# KiCad board g0dzilla_vs_sao1.kicad_pcb
title: G0dzilla_VS; date: 2024-06-20; rev: 1; company: Crafted by @alt_bier a.k.a. Richard Gowen and his Badge Team; note: SAO PCB 1
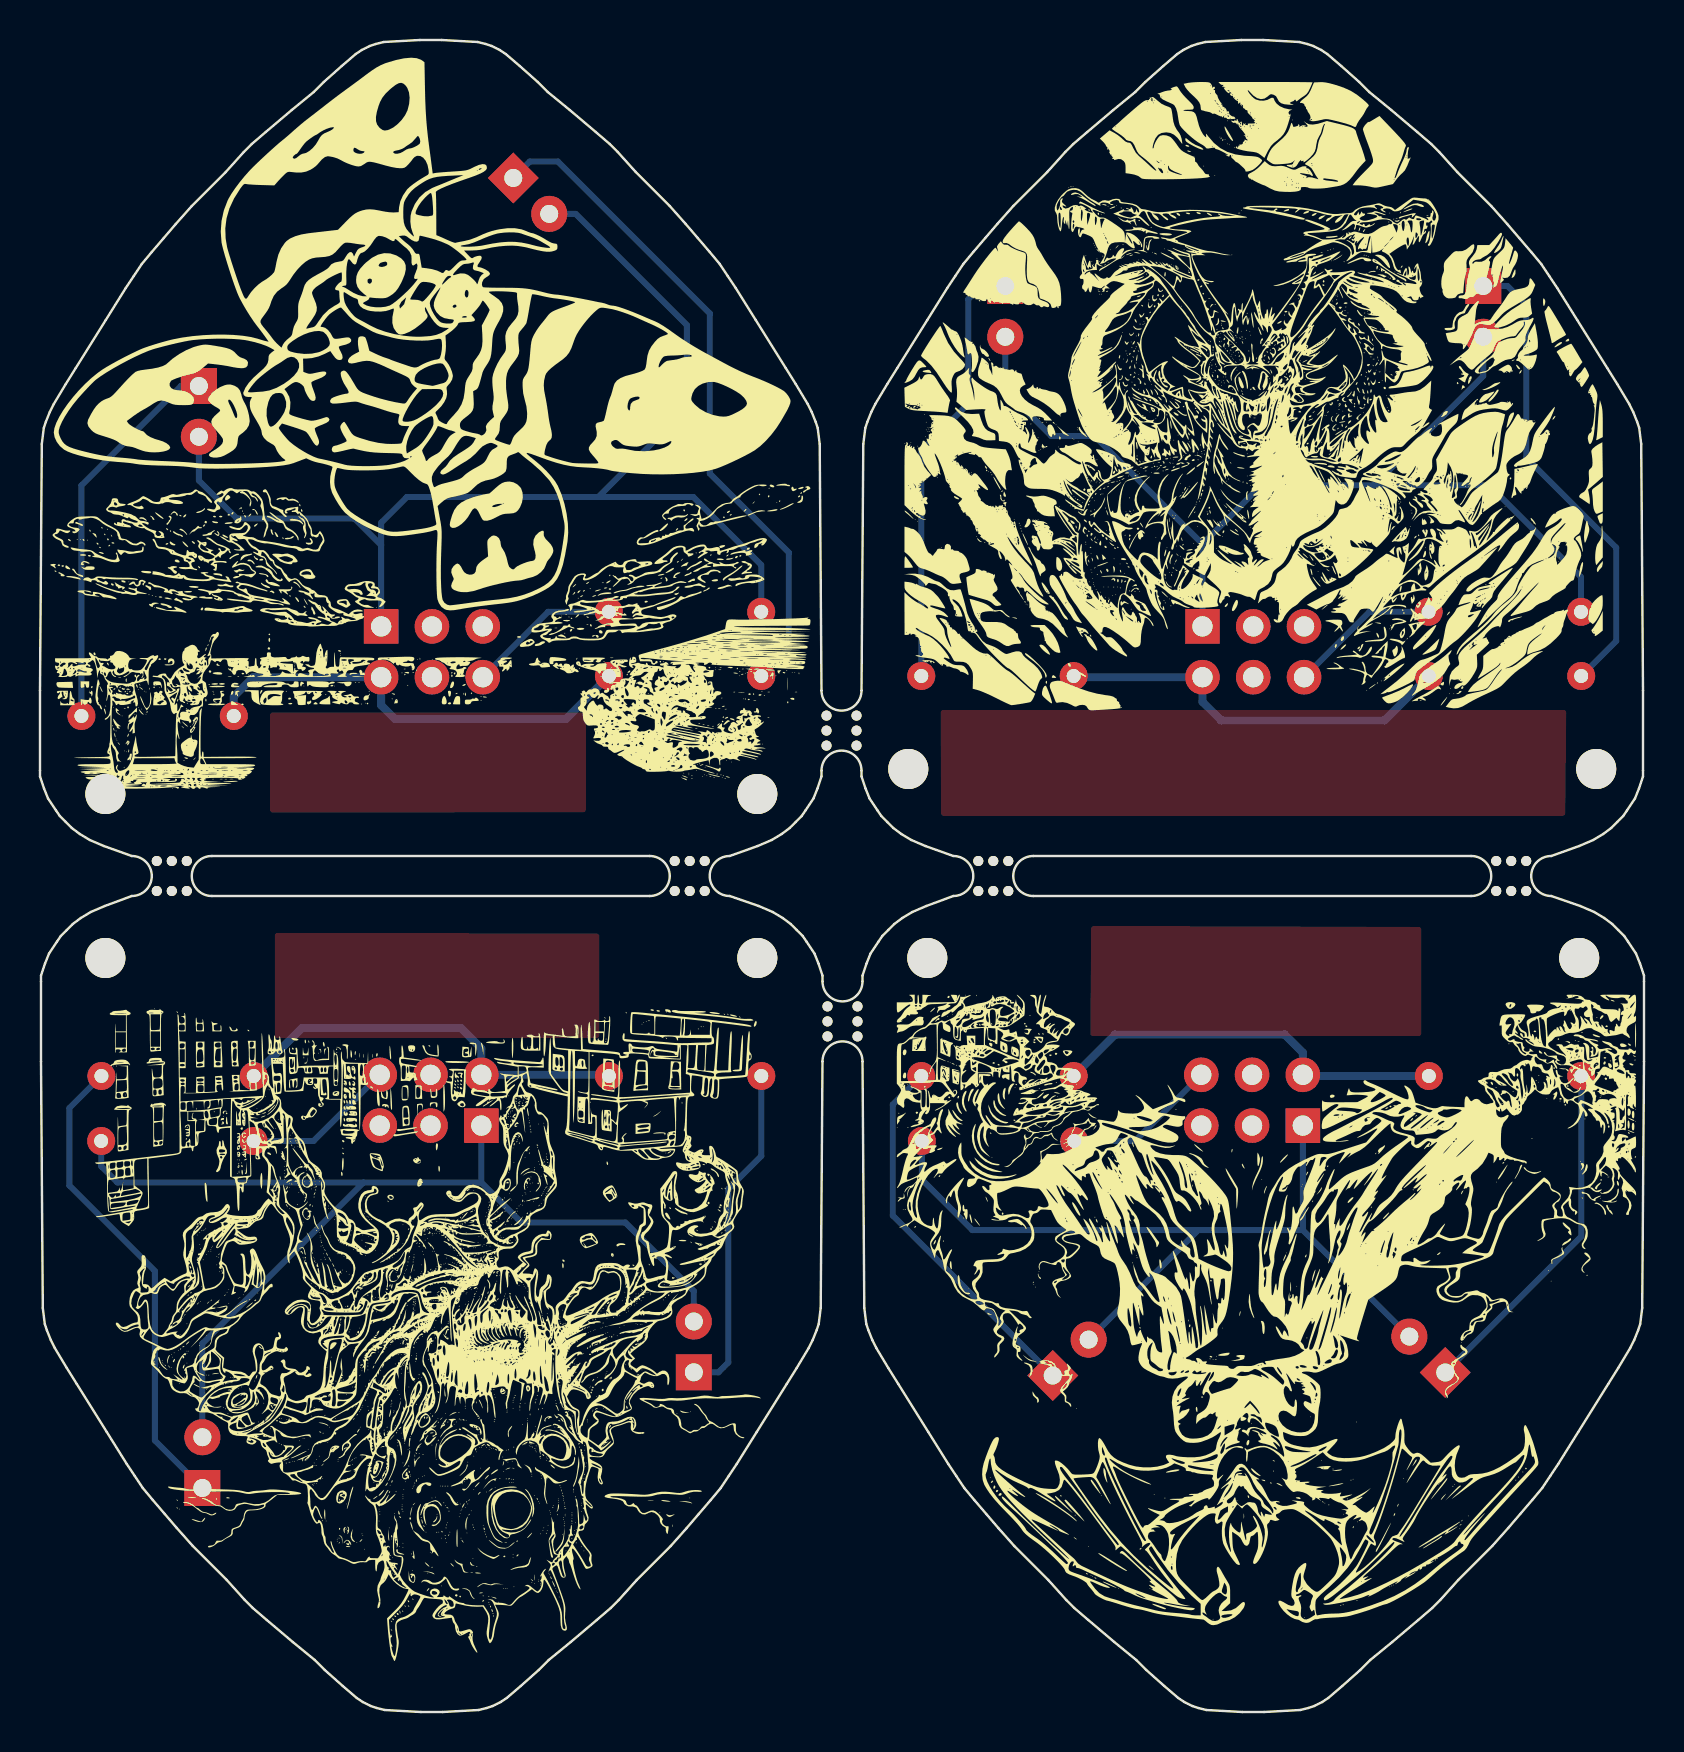
[diagram p0: board, top side]
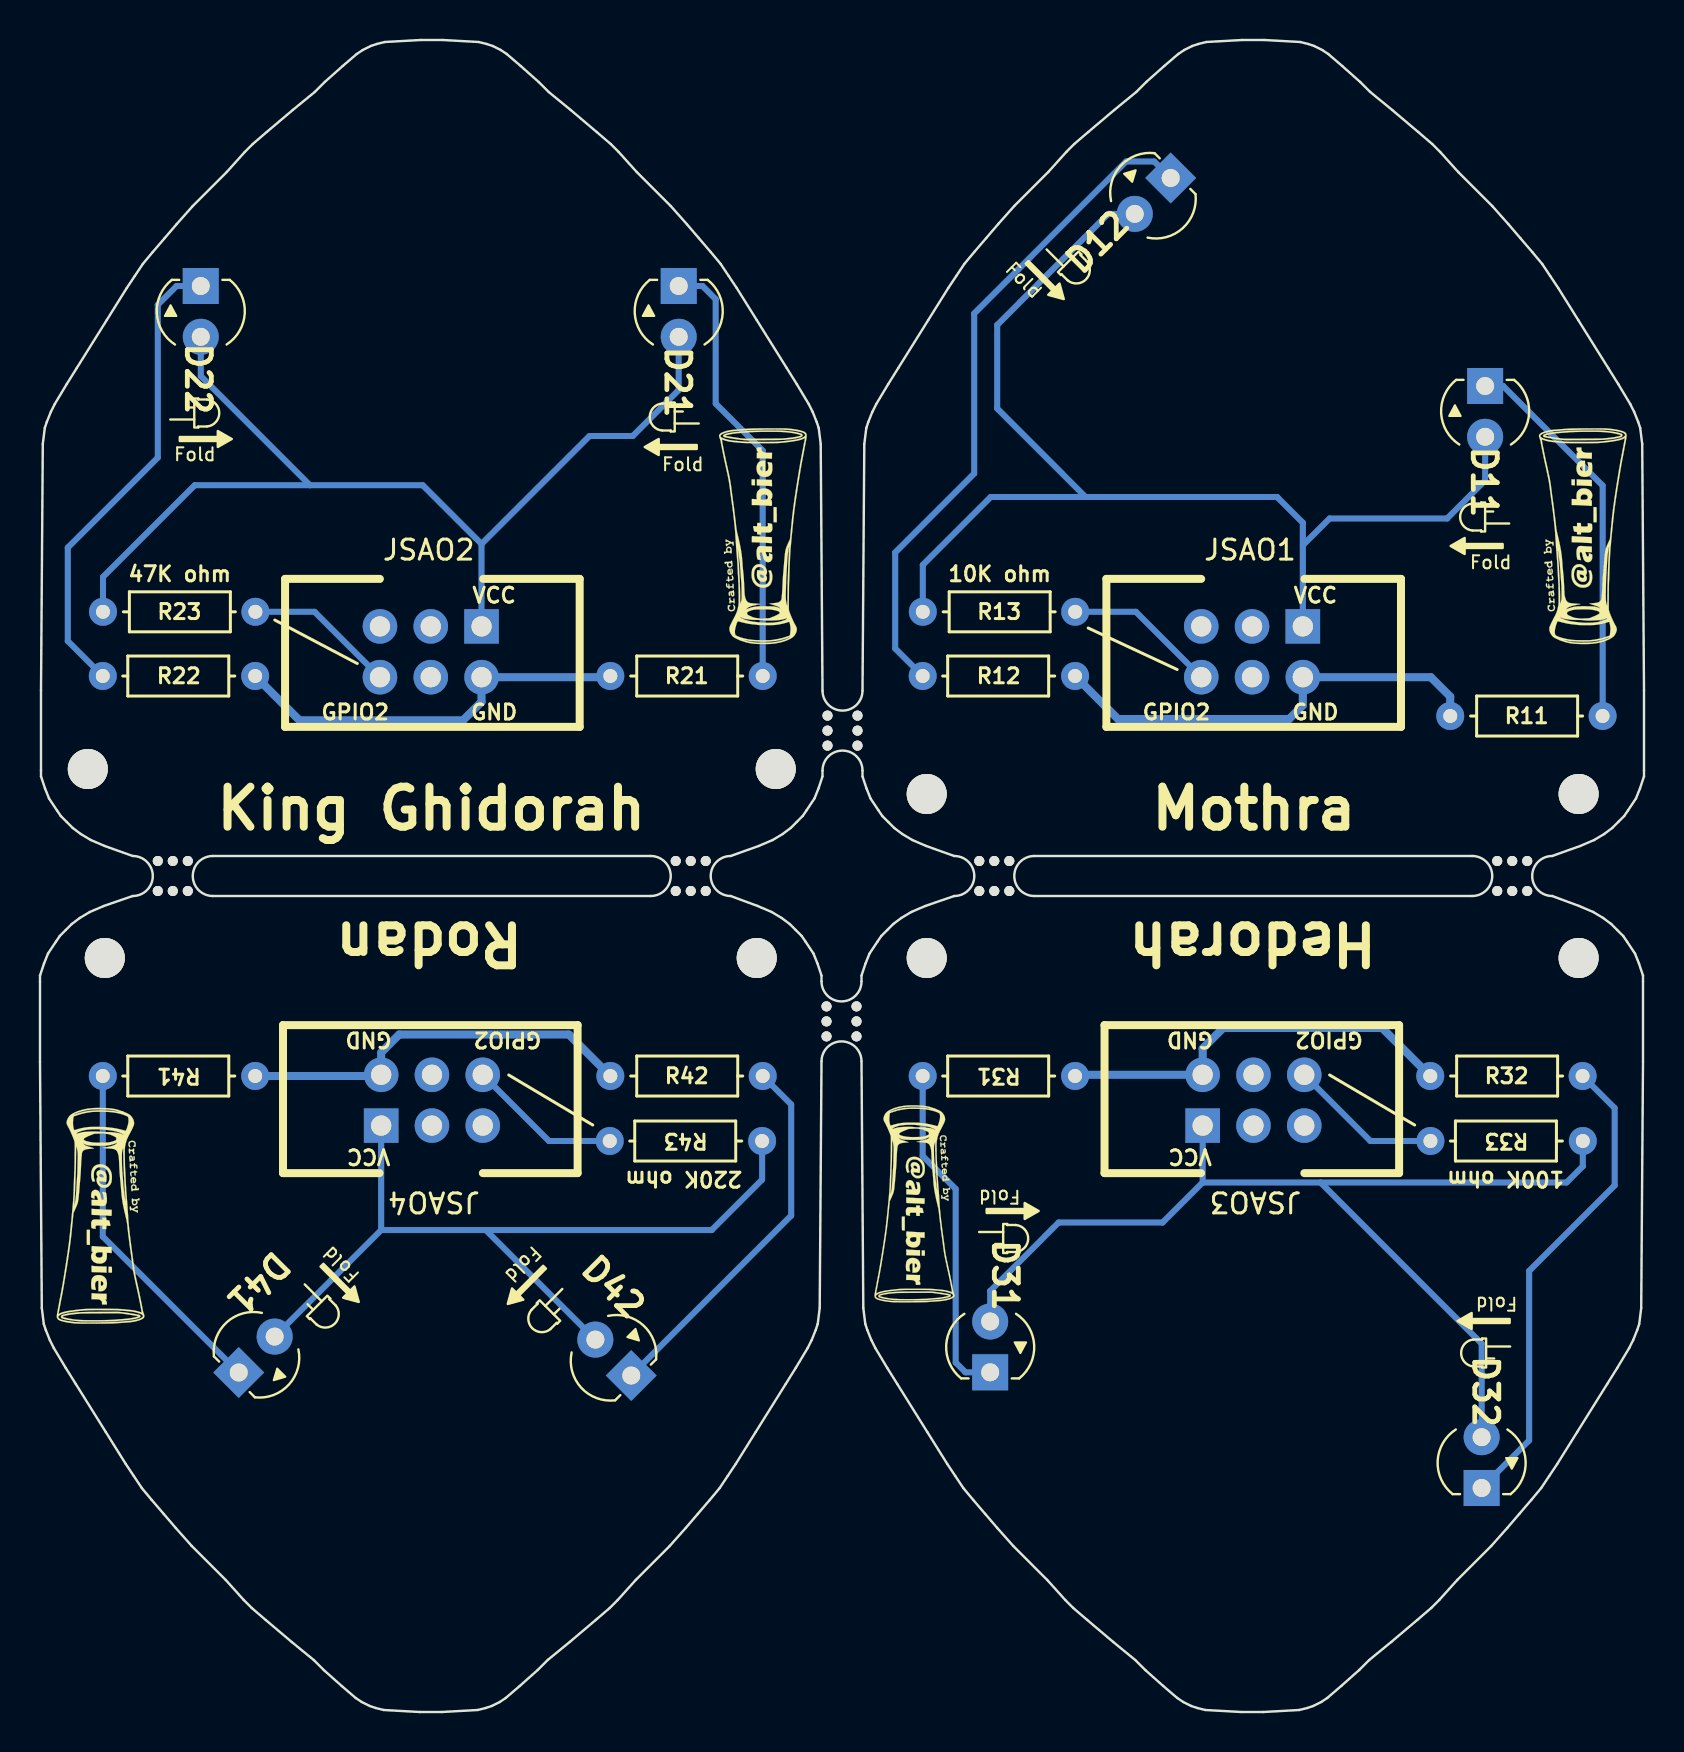
[diagram p1: board, bottom side, seen from below]

Outline 80.21 x 83.6 mm; copper layers: Top, Bottom. Coordinates in mm from the lower left corner of the outline.

## Placement (name value [footprint] x y rotation side)
-135  LED_Fold_Indicator_1  [LED_Fold_Indicator_back]  55.97 21.25 135 top
D11  LED_3mm  [LED_D3.0mm-2-std_back]  7.94 66.3 270 top
D12  LED_3mm  [LED_D3.0mm-2-std_back]  23.67 76.7 315 top
D21  LED_3mm  [LED_D3.0mm-2-std_back]  48.27 71.3 270 top
D22  LED_3mm  [LED_D3.0mm-2-std_back]  72.17 71.3 270 top
D31  LED_3mm  [LED_D3.0mm-2-std_back]  32.69 16.99 90 top
D32  LED_3mm  [LED_D3.0mm-2-std_back]  8.12 11.2 90 top
D41  LED_3mm  [LED_D3.0mm-2-std_back]  70.27 16.98 135 top
D42  LED_3mm  [LED_D3.0mm-2-std_back]  50.64 16.82 45 top
Fold  LED_Fold_Indicator_1  [LED_Fold_Indicator_back]  31.47 25.05 0 top
Fold#2  LED_Fold_Indicator_1  [LED_Fold_Indicator_back]  8.47 58.3 180 top
Fold#3  LED_Fold_Indicator_1  [LED_Fold_Indicator_back]  71.82 63.65 0 top
Fold#4  LED_Fold_Indicator_1  [LED_Fold_Indicator_back]  48.77 63.25 180 top
Fold#5  LED_Fold_Indicator_1  [LED_Fold_Indicator_back]  8.12 19.55 180 top
Fold#6  LED_Fold_Indicator_1  [LED_Fold_Indicator_back]  29.86 71.49 45 top
Fold#7  LED_Fold_Indicator_1  [LED_Fold_Indicator_back]  65.12 21.35 45 top
G***  LOGO  [logo-alt_bier-2300dpi-4x10mm-back]  36.62 25.4 180 top
G***#2  LOGO  [logo-alt_bier-2100dpi-4x11mm-back]  77.07 24.8 180 top
G***#3  LOGO  [logo-alt_bier-2100dpi-4x11mm-back]  3.17 58.8 0 top
G***#4  LOGO  [logo-alt_bier-2100dpi-4x11mm-back]  44.17 58.8 0 top
JSAO1  Conn_02x03_SAO  [SAOv169-SAOv3-2x3]  19.54 53.03 0 top
JSAO2  Conn_02x03_SAO  [SAOv169-SAOv3-2x3]  60.61 53.03 0 top
JSAO3  Conn_02x03_SAO  [SAOv169-SAOv3-2x3]  19.59 30.57 180 top
JSAO4  Conn_02x03_SAO  [SAOv169-SAOv3-2x3]  60.67 30.57 180 top
mask_back_sao1  Back Mask  [g0dzilla_vs_sao1_mask_b]  40.07 41.8 0 top
mask_front_sao1  Front Mask  [g0dzilla_vs_sao1_mask_f]  40.07 41.8 0 top
R11  47R_6.3mm  [R_Axial_DIN0207_L6.3_D2.5_P7.62_Horiz_back]  2.07 49.8 0 top
R12  47R_6.3mm  [R_Axial_DIN0207_L6.3_D2.5_P7.62_Horiz_back]  36.07 51.8 180 top
R13  10K_6.3mm  [R_Axial_DIN0207_L6.3_D2.5_P7.62_Horiz_back]  28.44 55.01 0 top
R21  47R_6.3mm  [R_Axial_DIN0207_L6.3_D2.5_P7.62_Horiz_back]  44.07 51.8 0 top
R22  47R_6.3mm  [R_Axial_DIN0207_L6.3_D2.5_P7.62_Horiz_back]  77.07 51.8 180 top
R23  47K_6.3mm  [R_Axial_DIN0207_L6.3_D2.5_P7.62_Horiz_back]  69.44 55.01 0 top
R31  47R_6.3mm  [R_Axial_DIN0207_L6.3_D2.5_P7.62_Horiz_back]  36.07 31.8 180 top
R32  47R_6.3mm  [R_Axial_DIN0207_L6.3_D2.5_P7.62_Horiz_back]  3.07 31.8 0 top
R33  100K_6.3mm  [R_Axial_DIN0207_L6.3_D2.5_P7.62_Horiz_back]  10.68 28.55 180 top
R41  47R_6.3mm  [R_Axial_DIN0207_L6.3_D2.5_P7.62_Horiz_back]  77.07 31.8 180 top
R42  47R_6.3mm  [R_Axial_DIN0207_L6.3_D2.5_P7.62_Horiz_back]  44.07 31.8 0 top
R43  220K_6.3mm  [R_Axial_DIN0207_L6.3_D2.5_P7.62_Horiz_back]  51.72 28.55 180 top
REF**  -  [MountingHole_2.0mm]  3.27 37.7 0 top
REF**#2  -  [MountingHole_2.0mm]  3.27 45.9 0 top
REF**#3  -  [MountingHole_2.0mm]  35.87 37.7 0 top
REF**#4  -  [LED_2Pin_Indicator_back]  8.09 17.98 270 top
REF**#5  -  [MountingHole_2.0mm]  76.97 37.7 0 top
REF**#6  -  [LED_2Pin_Indicator_back]  72.29 64.93 90 top
REF**#7  -  [LED_2Pin_Indicator_back]  54.87 19.95 225 top
REF**#8  -  [LED_2Pin_Indicator_Right_back]  8.14 59.78 270 top
REF**#9  -  [LED_2Pin_Indicator_Right_back]  48.67 64.78 270 top
REF**#10  -  [LED_2Pin_Indicator_Right_back]  31.84 23.65 90 top
REF**#11  -  [MountingHole_2.0mm]  77.82 47.15 0 top
REF**#12  -  [MountingHole_2.0mm]  43.42 47.15 0 top
REF**#13  -  [LED_2Pin_Indicator_Right_back]  66.23 20.14 135 top
REF**#14  -  [MountingHole_2.0mm]  44.37 37.7 0 top
REF**#15  -  [MountingHole_2.0mm]  35.87 45.9 0 top
REF**#16  -  [LED_2Pin_Indicator_back]  28.67 72.35 135 top
sao_edgecuts_01  Edge Cuts  [g0dzilla_vs_SAO_edgecuts_01]  40.07 41.8 0 top
silk_front_sao1  Front Silk  [g0dzilla_vs_sao1_silk_f]  40.07 41.8 0 top

## Library data of the parts
D11 D12 D21 D22 D31 D32 D41 D42 = -: Description: Light emitting diode; Color: White
JSAO1-JSAO4 = -: Description: Generic connector, double row, 02x03, odd/even pin numbering scheme (row 1 odd numbers, row 2 even numbers), script generated (kicad-library-utils/schlib/autogen/connector/)
R11-R13 R21-R23 R31-R33 R41-R43 = -: Description: Resistor

## Footprints (pads in the part's own frame, mm; a bottom-side part is the same pattern mirrored in y, then rotated)
g0dzilla_vs_SAO_edgecuts_01
  round 0.5 hole 0.5 unplated: (-34.23,0.75) (-34.23,-0.75) (-33.48,0.75) (-33.48,-0.75) (-32.73,0.75) (-32.73,-0.75) (-8.33,0.75) (-8.33,-0.75) (-7.58,0.75) (-7.58,-0.75) (-6.83,0.75) (-6.83,-0.75) (-0.74,8.02) (-0.74,7.27) (-0.74,6.52) (-0.69,-6.52) (-0.69,-7.27) (-0.69,-8.02) (0.76,8.02) (0.76,7.27) (0.76,6.52) (0.81,-6.52) (0.81,-7.27) (0.81,-8.02) (6.85,0.75) (6.85,-0.75) (7.6,0.75) (7.6,-0.75) (8.35,0.75) (8.35,-0.75) (32.75,0.75) (32.75,-0.75) (33.5,0.75) (33.5,-0.75) (34.25,0.75) (34.25,-0.75)
LED_D3.0mm-2-std_back
  rect 1.8x1.8 hole 0.9: 1(0,0)
  round 1.8 hole 0.9: 2(2.54,0)
MountingHole_2.0mm
  round 2 hole 2 unplated: (0,0)
R_Axial_DIN0207_L6.3_D2.5_P7.62_Horiz_back
  round 1.4 hole 0.7: 1(0,0) 2(7.62,0)
SAOv169-SAOv3-2x3
  rect 1.727x1.727 hole 1.016: 1(-2.48,1.25)
  round 1.727 hole 1.016: 2(-2.48,-1.29) 5(2.6,1.25) 6(2.6,-1.29)
  oval 1.727x1.727 hole 1.016: 3(0.06,1.25) 4(0.06,-1.29)

## Nets
+3.3V: D11.2 D12.2 JSAO1.1 R13.2
+3.3V1: D21.2 D22.2 JSAO2.1 R23.2
+3.3V2: D31.2 D32.2 JSAO3.1 R33.2
+3.3V3: D41.2 D42.2 JSAO4.1 R43.2
GND: JSAO1.2 R11.2 R12.2
GND1: JSAO2.2 R21.2 R22.2
GND2: JSAO3.2 R31.2 R32.2
GND3: JSAO4.2 R41.2 R42.2
Net-(D11-K): D11.1 R11.1
Net-(D12-K): D12.1 R12.1
Net-(D21-K): D21.1 R21.1
Net-(D22-K): D22.1 R22.1
Net-(D31-K): D31.1 R31.1
Net-(D32-K): D32.1 R32.1
Net-(D41-K): D41.1 R41.1
Net-(D42-K): D42.1 R42.1
Net-(JSAO1-Pin_6): JSAO1.6 R13.1
Net-(JSAO2-Pin_6): JSAO2.6 R23.1
Net-(JSAO3-Pin_6): JSAO3.6 R33.1
Net-(JSAO4-Pin_6): JSAO4.6 R43.1

Pads without a net: JSAO1 3 4 5; JSAO2 3 4 5; JSAO3 3 4 5; JSAO4 3 4 5

## Routing (per net, layer and track width the routed paths; a pad name or vN(x,y) marks a point on that pad's centre or on a via; arc(x,y) is an arc through that point)
+3.3V: length 60.7
  Bottom w0.3: 27.92,60.75 18.34,60.75 17.06,59.47 17.06,58.34 ; 27.92,60.75 32.67,60.75 36.06,57.36 R13.2 ; 27.92,60.75 32.34,65.18 32.34,69.35 26.79,74.91 D12.2 ; D11.2 7.94,61.58 9.84,59.68 15.72,59.68 17.06,58.34 ; JSAO1.1 17.06,58.34
+3.3V1: length 53.3
  Bottom w0.3: 58.13,58.4 61.07,61.34 66.71,61.34 ; 58.13,58.4 52.73,63.8 50.57,63.8 48.27,66.1 D21.2 ; 58.13,58.4 JSAO2.1 ; D22.2 72.17,66.8 66.71,61.34 ; 66.71,61.34 72.47,61.34 77.06,56.75 R23.2
+3.3V2: length 53.9
  Bottom w0.3: R33.2 3.06,27.29 3.87,26.48 16.17,26.48 ; 22.07,26.48 24.07,24.48 29.27,24.48 32.69,21.05 D31.2 ; 22.07,26.48 JSAO3.1 ; 22.07,26.48 16.17,26.48 ; 16.17,26.48 8.12,18.43 D32.2
+3.3V3: length 42.5
  Bottom w0.3: 63.15,24.1 D41.2 ; 63.15,24.1 JSAO4.1 ; 63.15,24.1 57.92,24.1 ; R43.2 44.1,26.62 46.62,24.1 57.92,24.1 ; 57.92,24.1 D42.2
GND: length 22.8
  Bottom w0.4: JSAO1.2 17.06,50.34 17.74,49.65 26.3,49.65 R12.2 ; JSAO1.2 10.66,51.74 9.69,50.77 R11.2 ; JSAO1.2 17,51.8
GND1: length 20.3
  Bottom w0.4: R21.2 51.75,51.74 JSAO2.2 58.13,50.51 59.06,49.58 67.23,49.58 R22.2
GND2: length 20.5
  Bottom w0.4: R31.2 28.39,31.86 JSAO3.2 22.07,33.18 21.04,34.2 13.09,34.2 R32.2
GND3: length 20.1
  Bottom w0.4: R42.2 53.76,33.88 62.25,33.88 63.15,32.97 JSAO4.2 63.21,31.8 R41.2
Net-(D11-K): length 19.5
  Bottom w0.3: R11.1 2.07,61.33 7.04,66.3 D11.1
Net-(D12-K): length 33.6
  Bottom w0.3: D12.1 24.49,77.53 25.89,77.53 33.49,69.93 33.49,61.93 37.44,57.98 37.44,53.18 R12.1
Net-(D21-K): length 21.9
  Bottom w0.3: R21.1 44.07,63.07 46.42,65.42 46.42,70.64 47.08,71.3 D21.1
Net-(D22-K): length 23.7
  Bottom w0.3: D22.1 73.38,71.3 74.32,70.36 74.32,62.72 78.82,58.22 78.82,53.55 R22.1
Net-(D31-K): length 16.9
  Bottom w0.3: R31.1 36.07,27.8 34.42,26.15 34.42,17.48 33.93,16.99 D31.1
Net-(D32-K): length 24
  Bottom w0.3: R32.1 1.47,30.2 1.47,26.33 5.74,22.05 5.74,13.58 D32.1
Net-(D41-K): length 17.6
  Bottom w0.3: R41.1 77.07,23.77 D41.1
Net-(D42-K): length 18.9
  Bottom w0.3: D42.1 42.64,24.82 42.64,30.38 R42.1
Net-(JSAO1-Pin_6): length 7.7
  Bottom w0.3: JSAO1.6 25.41,55.01 R13.1
Net-(JSAO2-Pin_6): length 7.6
  Bottom w0.3: JSAO2.6 66.48,55.01 R23.1
Net-(JSAO3-Pin_6): length 7.7
  Bottom w0.3: R33.1 13.68,28.55 JSAO3.6
Net-(JSAO4-Pin_6): length 7.7
  Bottom w0.3: R43.1 54.76,28.55 JSAO4.6

## Copper pours and planes (outline as drawn; the poured copper is in the pictures)
(no net) on Top: 45.04,50.1 45.06,44.8 76.27,44.81 76.32,50.1
(no net) on Top: 11.51,44.97 27.3,44.99 27.3,49.97 11.51,49.98
(no net) on Top: 11.74,33.7 27.97,33.7 27.97,38.93 11.74,38.95
(no net) on Top: 52.52,33.8 69.07,33.8 69.07,39.25 52.57,39.3

## Text on the board
B.Silkscreen: Mothra | King Ghidorah | Hedorah | Rodan
